# Allegro board gps_interface_boardv45ph.brd (continued)
## Nets (continued)
N635295: D8.1(K) R37.1
N637994: D15.2 Q12.2(S)
N638034: D15.1(CATHODE) R80.1
N638123: Q12.1 U15.4
N638285: R78.2 R79.1 U15.3
N638693: D14.2 Q11.2(S)
N638733: D14.1(K) R74.1
N665913: C123.2 R254.1
N716600: U107.2(VT) U107.3
N717829: C2748.1 U107.10
N717833: C2747.1 U107.9
N727253: C2749.1 C2750.1 L22.1 QZ1.1 QZ1.6(VDD)
N755053: Y1.3
N755062: Y1.2
N755111: U48.8
N755152: U48.9(XB)
N755804: Y1.6
N755834: Y1.5
N755912: L19.1 Y1.1(VDD)
N804236: U100.B1
N804492: U100.A2
N808323: C2670.1 C2680.1 C2690.1 U101.1 U101.2(SNS) U101.19 U101.20
N808573: R2661.1 U101.5
N808577: R2662.1 U101.6
N808581: R2663.1 U101.7
N808585: R2664.1 U101.9
N808589: R2665.1 U101.10
N808593: R2666.1 U101.11
N811210: C2711.2 U6.11
N812156: R2669.1 U7.2(SNS)

Pads without a net: J8 C8 C19 C22 C23 D29 D30 D31 D33 D35 G28 G33 G34 H1 H2; QZ1 2; U2 4 5 8; U3 4 5 8; U6 27 28 29; U7 5 6 7 9 10 11 12; U8 9; U9 12; U10 2 9; U11 12; U12 12; U13 9; U15 5; U17 6 9; U22 13 16; U26 13 16; U30 13 16; U34 13 16; U38 13 16; U42 13 16; U47 6; U48 5 7 10 20 21 53 54 55 56; U49 7; U52 4 5 8 9 19; U53 13 14 17 18; U101 12; U102 2 3 7

## Via types
v1: diameter 0.914, hole 0.406, TOP to BOTTOM, 1298 vias

## Routing (per net, layer and track width the routed paths; a pad name or vN(x,y) marks a point on that pad's centre or on a via; arc(x,y) is an arc through that point)
12V_FANS: length 29.8
  TOP w0.508: J28.2 14.68,18.44 17.07,16.05 F2.2
  BOTTOM w0.635: C3712.1 5.89,127.23 J27.2 ; C3713.1 4.24,18.44 J28.2
  vias: v1(6.45,42.44)
GND_POWER: length 605.1
  TOP w0.165: R26.1 v1(112.01,72.16) ; U100.F2 v1(-9.92,24.85) ; U100.E4 v1(-6.28,26.12) ; v1(111,72.19) R25.1 ; U100.F1 v1(-11.19,24.85) ; U100.G2 v1(-9.92,23.58) ; U6.19 12.88,48.15 12.88,48.16 ; 10.21,42.65 10.38,42.82 U6.3 ; U100.C1 v1(-11.19,29.76) ; C2740.1 v1(142.49,87.55) ; U100.E5 v1(-5.01,26.12) ; U104.13 137.29,70.06 v1(137.54,70.31) 136.79,71.06 U104.11 ; U6.17 13.88,48.09 13.87,48.11 ; U6.10 13.88,43.01 13.89,43 ; v1(10.09,46.23) 10.38,46.52 U6.24 ; C2726.1 C2722.1 C2731.2 C2727.2 ; U100.E2 v1(-9.92,26.12) ; U100.E3 v1(-7.55,26.12) ; U100.C2 v1(-9.92,29.76) ; C2746.2 v1(135.13,87.55) ; U107.6 135.73,91.77 v1(135.48,91.52) 135.73,91.27 U107.7 ; R18.2 v1(12.87,127.6) ; U100.H2 v1(-9.92,22.31) ; U100.H1 v1(-11.19,22.31) ; 12.62,42.62 12.38,42.86 U6.7 ; U100.D4 v1(-6.28,28.49) ; C2739.1 v1(142.49,95.45) ; 13.39,43.03 13.38,43.03 U6.9 ; C2734.2 v1(139.65,75.2) ; U100.D3 v1(-7.55,28.49) ; 13.39,48.11 13.38,48.11 U6.18 ; C2743.2 v1(140.97,95.45) ; U11.8 44.22,87.17 ; U7.8 12.83,72.24 ; C2741.1 v1(133.63,95.45) ; R2686.1 v1(133.73,74.02) ; U9.18 44.25,67.56 ; U107.15 140.36,91.77 v1(140.61,91.52) 140.36,91.27 U107.14 ; C2744.2 v1(140.97,87.55) ; R17.2 v1(20.67,127.8) ; U100.D2 v1(-9.92,28.49) ; U12.8 44.27,54.31 ; 122.18,83.64 122.15,83.67 ; C2742.1 v1(133.63,87.53) ; 12.57,48.13 12.38,47.94 U6.20 ; U100.D5 v1(-5.01,28.49) ; U100.D1 v1(-11.19,28.49) ; U6.8 12.88,42.63 12.88,42.62 ; U100.E1 v1(-11.19,26.12) ; C2733.1 v1(132.77,74.32) ; U100.G1 v1(-11.19,23.58) ; U7.18 12.83,67.49 ; U9.8 44.25,72.31 ; C2745.2 v1(135.13,95.45) ; U12.18 44.27,49.56
  TOP w0.17: v1(284.25,83.03) 284.01,83.27 U22.9 ; U42.9 166,83.37 v1(166.24,83.13) ; U34.9 210.43,83.37 v1(210.67,83.13) ; R233.1 165.62,87.92 v1(166.52,88.82) ; R123.2 v1(287.63,87.17) ; U38.9 188.13,83.37 v1(188.37,83.13) ; v1(262.18,83.13) 261.94,83.37 U26.9 ; R147.2 v1(265.56,80.14) ; v1(284.53,88.72) 283.63,87.82 R128.1 ; R212.1 187.74,87.92 v1(188.65,88.82) ; R191.1 210.05,87.92 v1(210.95,88.82) ; R228.2 v1(169.62,87.27) ; R170.1 239.26,87.92 v1(240.16,88.82) ; R210.2 v1(191.74,80.14) ; 94.46,95.96 v1(96.32,95.96) ; R231.2 v1(169.62,80.14) ; v1(239.88,83.13) 239.64,83.37 U30.9 ; R168.2 v1(243.26,80.14) ; v1(262.46,88.82) 261.56,87.92 R149.1 ; R126.2 v1(287.63,80.04) ; R189.2 v1(214.05,80.14) ; R207.2 v1(191.74,87.27) ; R165.2 v1(243.26,87.27) ; 265.56,86.45 v1(265.56,87.27) ; R186.2 v1(214.05,87.27)
  TOP w0.203: R104.2 v1(285.38,15.91) ; v1(168.71,114) 168.05,113.34 J21.17 ; U53.12 v1(221.82,19.89) ; R253.2 v1(24.88,88.1) ; v1(260.85,114) 260.88,114 261.61,113.27 J14.14 ; J18.14 239.31,113.27 238.58,114 v1(238.54,114) ; v1(264.67,114) 264.01,113.34 J14.17 ; v1(259.21,118.54) 259.61,118.95 J14.9 ; J19.11 v1(206.88,112.08) ; v1(134.01,118.54) 134.41,118.95 J30.9 ; v1(236.91,118.54) 237.31,118.95 J18.9 ; J21.1 v1(170.81,120.28) ; J20.20 v1(193.32,112.08) ; U3.2 17.17,134.49 v1(17.48,134.8) ; v1(187.01,114) 187.05,114 187.77,113.27 J20.14 ; J19.10 v1(206.53,120.28) ; R1.2 v1(83.85,129.72) ; v1(135.65,114) 135.69,114 136.41,113.27 J30.14 ; R79.2 v1(68.68,-18.87) ; v1(106.5,76.45) 106.68,76.63 107.68,76.63 ; R73.1 v1(77.34,-12.73) ; U8.5 25.53,59.84 v1(25.9,59.47) ; R71.1 v1(77.47,-19.66) ; 8.05,45.62 8.35,45.32 U6.30 ; J30.11 v1(133.22,112.08) ; v1(108.18,36.17) 107.74,35.73 U18.9 ; v1(122.66,83.64) 122.18,83.64 ; J20.10 v1(184.23,120.28) ; v1(66.67,68.35) U10.5 U10.4 66.34,67.85 v1(66.7,67.49) ; v1(281.28,118.59) 281.68,119 J13.9 ; U49.4 v1(83.91,-19.35) ; U2.2 42.55,134.41 v1(42.91,134.77) ; J21.11 v1(162.46,112.08) ; v1(110.72,36.55) 111.33,35.94 U17.7 ; J30.10 v1(132.87,120.28) ; J20.11 v1(184.58,112.08) ; v1(286.74,114.05) 286.08,113.39 J13.17 ; R249.2 v1(225.35,10.62) ; J18.20 v1(244.86,112.08) ; v1(24.66,59.49) 25.03,59.85 U8.4 ; v1(78.59,135.33) 79.34,134.58 U1.5 ; R9.2 v1(75.18,132.6) ; J19.20 v1(215.62,112.08) ; J13.20 v1(289.23,112.13) ; J19.9 208.07,118.95 v1(207.67,118.54) ; J14.20 v1(267.16,112.08) ; R13.2 v1(46.05,127.52) ; v1(57.51,41.38) 56.97,41.91 U13.5 ; v1(185.37,118.54) 185.77,118.95 J20.9 ; J21.9 163.65,118.95 v1(163.25,118.54) ; U47.3 62.63,136.52 v1(62.12,137.03) ; R72.1 77.91,-16.05 77.69,-15.82 v1(77.19,-15.82) ; J18.10 v1(235.76,120.28) ; J18.17 241.71,113.34 v1(242.37,114) ; R267.2 v1(40.09,136.02) ; R108.2 v1(292.37,15.86) ; v1(211.96,12.5) 212.4,12.94 R248.2 ; J14.1 v1(266.78,120.28) ; J13.11 v1(280.49,112.13) ; U15.2 v1(72.34,-20.4) ; J19.14 210.07,113.27 209.35,114 v1(209.31,114) ; v1(291.45,106.26) 290.19,106.26 289.48,106.26 ; J18.1 v1(244.47,120.28) ; v1(213.13,114) 212.47,113.34 J19.17 ; J20.17 190.17,113.34 v1(190.83,114) ; v1(282.92,114.05) 282.96,114.05 283.68,113.32 J13.14 ; R14.2 v1(38.2,127.55) ; U52.12 v1(205.59,19.79) ; J30.17 138.81,113.34 v1(139.47,114) ; R49.1 v1(22.61,59.26) ; J13.1 v1(288.85,120.33) ; J30.20 v1(141.96,112.08) ; J14.11 v1(258.42,112.08) ; J20.1 v1(192.94,120.28) ; v1(13.64,86.61) U46.4 v1(15.46,85.04) ; R268.2 v1(15.61,137.08) ; J13.10 v1(280.14,120.33) ; J18.11 v1(236.12,112.08) ; R109.2 v1(287.82,15.86) ; v1(164.88,114) 164.92,114 165.65,113.27 J21.14 ; R250.2 v1(208.69,10.69) ; J21.20 v1(171.2,112.08) ; J30.1 v1(141.58,120.28) ; 122.15,83.67 121.58,83.67 ; J19.1 v1(215.24,120.28) ; J14.10 v1(258.06,120.28) ; J21.10 v1(162.1,120.28) ; R264.2 v1(68.21,137.92) ; U13.4 v1(56.47,41.35) ; R23.1 v1(106.63,75.59) ; v1(106.43,77.72) 107.71,77.72 ; U19.12 v1(90.42,106.74) ; R105.2 v1(280.78,15.86)
  TOP w0.254: U104.30 141.06,71.06 v1(141.38,71.37) ; U104.23 v1(138.79,66.68)
  TOP w0.305: C105.2 125.6,19.35 v1(125.22,18.97) ; 283.83,22.76 v1(285.34,22.76) ; 290.84,22.73 291.33,22.73 291.35,22.71 v1(291.85,22.71) ; R39.1 v1(266.57,17.14) ; R43.1 v1(233.04,9.86) ; C106.2 v1(126.06,27.71) ; v1(123.65,21.64) 124.33,22.33 C107.2 ; U47.4 61.44,134.37 v1(60.7,133.63)
  TOP w0.33: C109.1 v1(116.99,36.42) ; C110.1 v1(102.06,27.08) ; C2749.2 v1(182.55,23.88) ; C2750.2 v1(182.55,25.53) ; QZ1.3 v1(180.37,23.09) ; C111.2 v1(116.92,27.43)
  BOTTOM w0.165: C25.1 v1(117.02,71.93) ; R65.2 v1(38.66,70.87) ; R114.2 49.53,85.72 v1(49.63,85.62) ; C20.1 113,87.49 113.49,87.98 113.51,87.98 v1(113.85,88.31) ; v1(3.47,48.32) 4.42,48.32 4.47,48.38 R36.2 ; C128.2 v1(239.67,17.02) ; C26.1 122.72,79.65 v1(122.82,79.75) ; R259.2 v1(45.8,57.81) ; R115.2 v1(45.75,90.98) ; R112.2 v1(44.75,75.41) ; C127.2 v1(238.1,17.02) ; v1(119.74,87.55) 119.14,86.96 C23.1 ; R118.2 v1(44.73,90.96) ; R255.2 v1(43.71,90.98) ; C15.1 107,77.62 106.9,77.72 v1(106.43,77.72) ; C22.2 v1(126.47,79.48) ; R263.2 v1(38.2,52.88) ; v1(122.89,82.63) C18.1 ; R258.2 v1(49.94,52.83) ; C27.1 v1(113.51,71.93) ; R257.2 v1(38.61,85.7) ; C129.2 v1(236.45,17.02) ; R261.2 v1(43.76,57.78) ; C14.1 v1(106.5,76.45) ; C24.1 v1(122.99,76.15) ; R70.2 v1(49.76,70.84) ; C28.1 v1(114.53,88.06) ; R63.2 v1(45.75,75.41) ; R256.2 v1(42.7,90.98) ; C29.2 129.09,74.07 129.11,74.09 v1(129.59,74.09) ; R260.2 v1(44.78,57.81) ; R113.2 v1(43.76,75.39) ; R117.2 v1(241.07,20.55) ; R262.2 v1(42.75,57.81) ; R64.2 v1(42.75,75.39) ; C19.1 v1(118.52,71.93)
  BOTTOM w0.203: C224.2 v1(182.86,99.19) ; C74.2 v1(66.29,64.92) ; C17.2 v1(10.03,37.31) ; v1(173.61,99.31) 173.3,99.62 C248.2 ; C2712.2 v1(131.5,99.19) ; C137.1 293.05,104.64 v1(292.56,105.13) ; 186.08,116.94 v1(186.08,115.82) ; v1(21.06,59.31) 21.06,59.92 21.84,60.7 C59.2 ; R94.2 v1(86.56,114.38) ; C2719.1 v1(145.81,105.28) ; R93.2 v1(86.56,115.75) ; 281.99,116.99 v1(281.99,115.87) ; v1(159.72,104.88) 158.92,104.08 C249.1 ; C119.2 v1(285.52,27.28) ; R110.2 v1(301.42,17.55) ; C3.2 v1(78.85,138.51) ; R195.2 v1(202.81,106.77) ; U5.2 246.66,27.66 247,27.32 247,26.66 v1(247.75,25.91) ; 270.88,107.9 v1(270.88,106.74) ; C123.1 v1(262.83,20.08) ; C157.1 v1(254.85,104.95) ; 174.89,107.9 v1(174.89,106.77) ; C251.1 v1(169.44,115.82) ; C270.1 v1(218.14,15.37) ; C202.2 v1(205.16,99.19) ; 277.85,80.19 277.85,80.7 277.86,80.71 U24.3 ; C271.1 v1(201.88,15.62) ; C113.2 v1(99.91,117.01) ; R47.2 v1(13.41,75.16) ; U44.3 159.85,80.81 159.84,80.8 159.84,80.29 ; C203.1 v1(203.34,104.93) ; C2718.1 v1(140.21,115.82) ; R154.2 v1(258.34,76.33) ; v1(195.78,99.34) 195.43,99.7 C225.2 ; 259.92,116.94 v1(259.92,115.82) ; R216.2 v1(180.5,106.69) ; v1(218.59,98.86) 218.23,99.22 218.23,99.49 217.73,99.99 C201.2 ; 265.41,116.97 v1(265.41,115.82) ; C250.1 v1(163.96,115.82) ; v1(181.58,105.05) 181.04,104.51 C226.1 ; R174.2 v1(232.04,106.79) ; C247.2 v1(160.73,99.19) ; C180.1 v1(232.55,104.98) ; 237.62,116.94 v1(237.62,115.82) ; v1(130.48,104.88) 129.68,104.08 C2717.1 ; C178.2 v1(234.37,99.19) ; v1(54.79,41.07) 54.05,41.81 C86.2 ; C252.1 v1(175.04,105.28) ; 204.27,80.29 204.27,80.8 204.28,80.81 U36.3 ; R132.2 v1(276.41,106.64) ; R196.2 v1(206.83,76.33) ; C229.1 v1(197.16,105.23) ; 208.38,116.94 v1(208.38,115.82) ; 291.45,107.9 v1(291.45,106.26) ; C155.2 v1(256.67,99.19) ; U28.3 255.79,80.81 255.78,80.8 255.78,80.29 ; R2690.2 v1(129.15,106.74) ; C160.1 v1(270.98,105.23) ; v1(276.93,105.01) C134.1 ; U40.3 181.98,80.81 181.97,80.8 181.97,80.29 ; R74.2 v1(71.27,-8.03) ; C2713.2 144.07,99.62 v1(144.37,99.31) ; 243.1,116.97 v1(243.1,115.82) ; R62.2 v1(56.88,61.76) ; 233.48,80.29 233.48,80.8 233.49,80.81 U32.3 ; C206.1 v1(219.47,105.21) ; C183.1 248.68,104.54 v1(248.11,105.11) ; v1(247.29,99.26) 246.94,99.62 C179.2 ; R33.2 v1(99.39,67.06) ; R238.2 v1(162.41,76.33) ; C132.2 291.31,100.08 v1(292.02,99.36) ; C84.1 v1(59.69,45.9) ; R4.2 v1(83.87,137.59) ; R95.2 v1(103.56,111.91) ; R133.2 v1(280.42,76.23) ; R153.2 v1(254.34,106.74) ; C58.1 v1(28.04,64.85) ; R217.2 v1(184.53,76.33) ; C69.1 57.05,64.9 v1(56.54,64.39) ; C133.2 v1(278.74,99.29) ; C2714.1 v1(134.72,115.82) ; R175.2 v1(236.04,76.33) ; 191.57,116.97 v1(191.57,115.82) ; C115.2 v1(292.4,27.2) ; C272.1 v1(18.08,91.87) ; 292.95,107.9 292.95,107.17 v1(293.37,106.76) ; R34.2 v1(100.7,70.83) ; C156.2 v1(269.24,99.06) ; R237.2 v1(158.38,106.74) ; 213.87,116.97 v1(213.87,115.82) ; R80.2 v1(76.4,-8.1)
  BOTTOM w0.305: C116.2 v1(278.26,15.9) ; R44.2 v1(10.4,30.65) ; v1(85.62,-19.99) 86.23,-19.38 C103.2 ; R37.2 v1(101.31,100.48) ; C16.2 v1(93.22,65) ; R106.2 v1(271.17,17.45) ; C8.2 v1(84.81,132.15) ; C104.2 86.45,-15.95 v1(85.83,-16.57) ; v1(85.57,-11) 86.39,-11.81 C102.2 ; C117.2 279.95,14.12 279.43,14.65 v1(279.43,15.44) ; R57.2 v1(58.34,93.45) ; C98.2 116.51,17.37 v1(115.93,16.79) ; C5.2 v1(60.11,134.24) ; C7.2 v1(88.8,132.11) ; C10.1 v1(36.05,136.57) ; v1(115.62,21.62) 116.59,20.65 C99.2 ; v1(97.03,70.61) 96.57,70.16 C13.2 ; C108.2 v1(85.51,-12.38) ; C97.2 v1(128.4,20.65) ; R51.2 v1(26.95,78.51) ; C12.1 v1(35.06,133.71) ; C11.1 v1(20.43,137.13) ; v1(61.44,129.49) 62.09,130.15 C6.2 ; 289.25,21.34 v1(287.48,21.34) ; 283.95,21.39 v1(285.32,21.39) ; C9.2 v1(89.41,133.32)
  BOTTOM w0.33: 156.84,10.69 156.46,10.31 153.37,10.31 153.03,10.64 J8.G20 ; v1(166.52,88.82) 166.52,88.83 C254.2 C253.2 ; J8.G5 J8.G4 ; C161.2 C162.2 262.46,88.83 v1(262.46,88.82) ; v1(162.41,15.11) 162.41,14.12 J8.H12 ; J8.D3 J8.D2 ; C207.2 C208.2 210.95,88.83 v1(210.95,88.82) ; C184.2 C185.2 240.16,88.83 v1(240.16,88.82) ; C138.2 C139.2 284.53,88.72 v1(284.53,88.72) ; v1(188.65,88.82) 188.64,88.83 C231.2 C230.2 ; v1(166.22,15.11) 166.22,14.12 J8.H9
  BOTTOM w0.381: v1(177.16,5.22) 177.16,6.99 J8.D2 ; J8.G5 J8.H6 v1(170.81,15.1) ; v1(159.38,15.1) 159.38,13.34 J8.G14 v1(160.66,10.3) ; J8.G26 J8.H27 v1(144.15,15.1) ; J8.C12 v1(163.19,5.22) ; 156.84,10.69 J8.G17 J8.H18 v1(155.57,15.1) ; v1(158.12,10.02) J8.D16 J8.C16 v1(158.12,5.22) ; v1(128.91,15.1) J8.H39 J8.G38 v1(130.18,10.3) ; v1(167,5.22) J8.C9 J8.D10 ; J8.G23 J8.H24 v1(147.96,15.1) ; v1(130.18,5.85) J8.C38 J8.D37 ; J8.D13 J8.C13 v1(161.93,5.22) ; v1(140.34,15.1) J8.H30 142.21,11.46 142.21,10.68 v1(142.88,10.02) J8.D28 J8.C28 v1(142.88,5.22) ; v1(146.69,5.22) J8.C25 J8.D25 v1(146.69,10.02) ; J8.C36 v1(132.72,5.84) ; v1(137.79,10.3) J8.G32 J8.H33 v1(136.53,15.1) ; J8.C33 v1(136.53,5.22) ; v1(132.72,15.1) J8.H36 J8.G35 v1(133.99,10.3) ; 177.16,12.06 v1(177.16,10.69) ; J8.D19 J8.C20 v1(153.03,5.22) ; J8.H3 J8.G4 v1(173.35,10.3) ; J8.C32 v1(137.79,5.22) ; v1(135.25,5.22) J8.C34 J8.D34 ; J8.D39 J8.C40 v1(127.64,5.85) ; J8.G8 J8.H9 ; J8.C24 v1(147.96,5.22) ; 141.6,6.99 v1(141.6,5.22) ; v1(151.76,5.22) 151.76,6.99 J8.D22 v1(150.5,10.02) ; v1(172.09,5.22) J8.C5 J8.D6 169.54,8.26 ; J8.C17 v1(156.84,5.22) ; J8.G11 J8.H12 ; v1(151.76,15.1) 151.76,13.34 J8.G20 ; J8.D3 J8.C4 ; J8.G40 v1(126.71,12.06)
  BOTTOM w0.635: C3712.2 6,125.5 J27.3 ; C3713.2 4.44,15.9 J28.3
  vias: v1(3.32,36.09) v1(3.55,55.42) v1(3.71,52.91) v1(3.66,51.56) v1(3.66,50.19) v1(3.71,39.7) v1(3.71,38.33) v1(3.76,41.05) v1(4.24,36.09) v1(4.47,55.42) v1(4.8,52.91) v1(4.78,51.59) v1(4.8,50.19) v1(4.83,39.73) v1(4.85,41.05) v1(4.85,38.33) v1(5.18,36.07) v1(5.33,73.43) v1(5.41,55.4) v1(5.94,52.91) v1(5.99,51.64) v1(5.99,50.19) v1(5.99,41.05) v1(6.05,39.78) v1(6.05,38.33) v1(6.25,73.43) v1(6.78,60.52) v1(7.19,73.41) v1(7.69,60.53) v1(8.15,36.11) v1(8.38,55.44) v1(8.63,60.5) v1(9.07,36.12) v1(9.29,55.45) v1(10.01,36.1) v1(10.09,44.91) v1(10.23,55.42) v1(11.61,60.55) v1(11.63,46.23) v1(11.63,44.91) v1(12.22,70.43) v1(12.22,69.77) v1(12.22,69.14) v1(12.52,60.55) v1(13,36.11) v1(13.23,55.44) v1(13.18,46.23) v1(13.18,44.91) v1(13.41,70.46) v1(13.41,69.8) v1(13.39,69.14) v1(13.46,60.53) v1(13.92,36.12) v1(14.15,55.45) v1(14.86,36.1) v1(15.09,55.42) v1(16.46,60.55) v1(17.37,60.55) v1(18.06,73.43) v1(18.31,60.53) v1(18.31,56.11) v1(18.26,54.76) v1(18.26,53.39) v1(18.44,37.77) v1(18.39,36.42) v1(18.39,35.05) v1(18.97,73.43) v1(19.41,56.11) v1(19.38,54.79) v1(19.41,53.39) v1(19.53,37.77) v1(19.51,36.45) v1(19.53,35.05) v1(19.91,73.41) v1(20.55,56.11) v1(20.6,54.84) v1(20.6,53.39) v1(20.68,37.77) v1(20.73,36.5) v1(20.73,35.05) v1(20.73,31.45) v1(20.68,30.1) v1(20.68,28.73) v1(21.82,31.45) v1(21.79,30.12) v1(21.82,28.73) v1(22.96,31.45) v1(23.01,30.18) v1(23.01,28.73) v1(24.21,31.47) v1(24.16,30.12) v1(24.16,28.75) v1(25.1,62.51) v1(25.07,61.67) v1(25.3,31.47) v1(25.27,30.15) v1(25.3,28.75) v1(25.98,62.51) v1(25.96,61.67) v1(26.44,31.47) v1(26.49,30.2) v1(26.49,28.75) v1(28.47,62.23) v1(31.09,60.71) v1(36.75,88.36) v1(36.83,55.42) v1(37.67,88.37) v1(37.74,55.42) v1(38.15,60.6) v1(38.35,75.03) v1(38.61,88.34) v1(38.68,55.4) v1(39.06,60.6) v1(39.27,75.03) v1(40,60.58) v1(40.21,75.01) v1(42.97,60.62) v1(43.59,85.34) v1(43.59,84.07) v1(43.64,70.51) v1(43.64,69.85) v1(43.64,69.22) v1(43.66,52.5) v1(43.66,51.84) v1(43.66,51.21) v1(43.89,60.63) v1(44.22,84.71) v1(44.83,70.54) v1(44.83,69.88) v1(44.81,69.22) v1(44.83,60.61) v1(44.83,51.21) v1(44.86,85.34) v1(44.86,84.07) v1(44.86,52.53) v1(44.86,51.87) v1(47.83,60.62) v1(48.03,75.05) v1(48.74,60.63) v1(48.94,75.06) v1(49.48,88.36) v1(49.68,60.61) v1(49.71,55.49) v1(49.88,75.03) v1(50.39,88.37) v1(50.62,55.5) v1(51.33,88.34) v1(51.56,55.48) v1(56.54,44.58) v1(56.52,43.74) v1(57.28,84.63) v1(57.43,44.58) v1(57.4,43.74) v1(57.51,66.85) v1(58.42,84.63) v1(58.65,66.85) v1(59.61,84.63) v1(59.84,66.85) v1(63.58,68.78) v1(63.55,67.94) v1(64.44,67.94) v1(64.47,68.78) v1(78.94,132.99) v1(78.94,132.16) v1(80.11,132.99) v1(80.09,132.16) v1(81.23,132.16) v1(81.25,132.99) v1(97.43,89.81) v1(97.46,91.19) v1(97.46,90.53) v1(98.3,91.19) v1(98.27,90.5) v1(98.27,89.81) v1(99.8,42.98) v1(102.67,42.55) v1(104.98,42.01) v1(105.59,40.82) v1(107.98,73.33) v1(108.13,38.25) v1(108.92,96.04) v1(111.73,37.72) v1(112.85,81.58) v1(112.88,80.44) v1(112.85,79.3) v1(112.88,78.16) v1(114.1,81.61) v1(114.12,80.47) v1(114.1,79.32) v1(114.12,78.18) v1(114.33,39.5) v1(115.32,81.61) v1(115.34,80.47) v1(115.32,79.32) v1(115.34,78.18) v1(116.64,81.61) v1(116.64,79.32) v1(116.66,80.47) v1(116.66,78.18) v1(136.32,86.06) v1(138.05,91.52) v1(138.76,86.06) v1(163.86,84.12) v1(185.98,84.12) v1(200.81,21.56) v1(208.28,84.12) v1(219,17.17) v1(231.04,18.85) v1(233.78,20.83) v1(237.49,84.12) v1(259.79,84.12) v1(281.86,84.02) v1(287.3,35.18) v1(292.91,35.23)
VCC2V5: length 73.7
  TOP w0.17: R182.1 v1(211.96,87.07) ; R235.1 v1(161.07,88.52) ; R214.1 v1(183.2,88.52) ; R140.1 v1(263.47,87.07) ; R162.1 v1(241.17,80.7) ; R172.1 v1(234.71,88.52) ; R161.1 v1(241.17,87.07) ; R120.1 v1(285.55,80.59) ; R204.1 v1(189.66,80.7) ; R151.1 v1(257.01,88.52) ; R119.1 v1(285.55,86.97) ; R224.1 v1(167.54,87.07) ; R130.1 v1(279.08,88.42) ; R203.1 v1(189.66,87.07) ; R193.1 v1(205.5,88.52) ; R141.1 v1(263.47,80.7) ; R225.1 v1(167.54,80.7) ; R183.1 v1(211.96,80.7)
  TOP w0.203: 57.48,47.62 57.47,47.62 U13.10 ; v1(239.95,85.88) 239.95,85.32 239.52,84.89 239.31,84.89 239.3,84.87 U30.12 ; U34.12 210.09,84.87 210.1,84.89 210.31,84.89 210.74,85.32 v1(210.74,85.88) ; 282.33,25.86 281.41,25.86 280.91,26.36 v1(280.91,26.84) ; U42.12 165.67,84.87 165.68,84.89 165.89,84.89 166.32,85.32 v1(166.32,85.88) ; v1(284.33,85.78) 284.33,85.22 283.9,84.79 283.69,84.79 283.68,84.77 U22.12 ; v1(188.44,85.88) 188.44,85.32 188.01,84.89 187.8,84.89 187.79,84.87 U38.12 ; v1(262.25,85.88) 262.25,85.32 261.82,84.89 261.62,84.89 261.6,84.87 U26.12 ; 289.34,25.83 288.87,25.83 v1(287.83,26.87)
  TOP w0.305: v1(64.38,128.37) 63.63,129.11 U47.8
  TOP w0.33: v1(115.22,26.64) C111.1 115.23,27.44 U17.14 ; v1(103.56,26.09) 103.83,26.36 C110.2 103.84,27.09 U18.2
  BOTTOM w0.17: v1(233.48,19.81) 234.23,19.81 R116.2
  BOTTOM w0.203: v1(262.25,85.88) 262.25,86.27 261.43,87.1 C162.1 C161.1 ; v1(188.44,85.88) 188.44,86.27 187.62,87.1 C231.1 C230.1 ; v1(287.83,26.87) 288.16,27.2 C115.1 ; v1(166.32,85.88) 166.32,86.27 165.5,87.1 C254.1 C253.1 ; C119.1 281.36,27.28 v1(280.91,26.84) ; R82.2 v1(106.84,31.07) ; v1(247.09,29.29) 247.09,27.94 247.37,27.66 U5.5 ; v1(239.95,85.88) 239.95,86.27 239.13,87.1 C185.1 C184.1 ; C138.1 C139.1 283.5,86.99 284.33,86.17 v1(284.33,85.78) ; C207.1 C208.1 209.92,87.1 210.74,86.27 v1(210.74,85.88)
  BOTTOM w0.305: C6.1 63.82,128.92 v1(64.38,128.37)
  vias: v1(53.9,50.14) v1(53.9,48.74) v1(54.99,50.11) v1(54.99,48.74) v1(56.11,50.14) v1(56.13,48.74) v1(57.33,50.14) v1(57.33,48.74) v1(60.76,50.14) v1(60.76,48.74) v1(61.8,48.74) v1(61.93,50.14) v1(62.94,48.74) v1(63.07,50.14) v1(64.11,48.72) v1(64.24,50.14) v1(158.24,92.58) v1(158.24,91.49) v1(199.87,67.28)
VCC3V3: length 431.7
  TOP w0.165: R163.1 v1(245.52,86.45) ; 133.96,71.05 C2730.1 C2725.2 ; 133.96,71.05 134.47,71.56 U104.10 ; 133.96,71.05 133.98,71.05 134.47,70.56 U104.12 ; U107.8 136.03,90.77 135.54,90.27 C2746.1 135.1,90.25 C2742.2 v1(132.59,90.25) ; R205.1 v1(194.01,86.45) ; R164.1 v1(245.52,81.16) ; C2724.2 C2729.1 136.29,66.97 U104.18 ; U107.16 139.99,92.27 140.46,92.73 C2743.1 C2739.2 v1(143.54,92.73) ; C2723.2 C2728.1 139.29,67.46 U104.24 ; v1(143.54,90.27) C2740.2 C2744.1 140.64,90.27 140.15,90.77 U107.13 ; 140.46,72.76 141.08,72.76 ; 140.46,72.76 139.66,73.56 139.17,73.56 138.79,73.18 U104.2 ; 140.46,72.76 U104.1 ; 141.08,72.76 C2727.1 C2731.1 C2722.2 C2726.2 ; 141.08,72.76 140.74,72.41 ; 140.74,72.41 140.38,72.06 U104.32 ; 140.74,72.41 140.74,71.78 140.52,71.56 U104.31 ; R24.1 122.38,79.15 122.51,79.02 v1(123.11,79.02) ; R185.1 v1(216.31,81.16) ; R184.1 v1(216.31,86.45) ; v1(132.59,92.73) C2741.2 C2745.1 135.61,92.73 136.08,92.27 U107.5 ; R143.1 v1(267.82,81.16) ; R226.1 v1(171.89,86.45) ; R206.1 v1(194.01,81.16) ; R121.1 v1(289.9,86.35) ; R227.1 v1(171.89,81.16) ; R142.1 v1(267.77,86.43) ; R122.1 v1(289.9,81.06)
  TOP w0.203: D36.2 v1(165.18,78.79) ; D32.2 v1(187.3,78.79) ; R247.2 v1(195.12,12.94) ; D16.2 v1(283.18,78.69) ; Q11.3 v1(66.83,-16.24) ; U18.15 103.84,35.43 103.84,36.3 v1(103.71,36.42) ; D24.2 v1(238.81,78.79) ; D28.2 v1(209.6,78.79) ; U19.24 100.35,113.89 v1(100.94,114.48) ; v1(77.47,-20.6) 77.93,-21.06 R75.2 ; R77.2 78.12,-14.15 77.74,-14.53 v1(77.24,-14.53) ; v1(61.26,74.37) 62.61,73.03 U10.10 ; D20.2 v1(261.11,78.79) ; R76.2 v1(77.44,-17.48) ; Q12.3 v1(71.86,-16.21) ; v1(22.45,91.03) 21.84,90.42 U46.8
  TOP w0.305: v1(146.91,105.16) 146.28,104.52 L21.1 146.28,100.05 v1(146.84,99.49) ; v1(276.33,105.51) 276.33,104.68 276.43,104.58 L7.1 276.43,100.06 276.25,99.89 v1(276.25,99.34) ; v1(201.6,101.93) L13.1 v1(202.84,98.78) ; v1(266.9,13.18) 266.52,13.56 Q14.3 ; v1(292.56,21.36) 292.56,22.99 291.97,23.57 289.6,23.57 289.34,23.32 289.34,22.73 ; U52.24 198.63,11.82 v1(198.17,11.35) ; v1(3.61,34.21) 47.41,34.21 47.42,34.2 v1(47.97,34.2) ; v1(249.73,99.44) 249.15,100.03 L12.1 249.15,104.5 v1(249.73,105.08) ; v1(231.97,105.41) 231.97,104.74 232.05,104.66 L11.1 v1(232.05,98.7) ; v1(87.76,-13.87) 87.91,-14.02 U49.8 ; v1(179.17,101.93) L15.1 180.54,99.36 v1(181,98.91) ; v1(158.42,98.91) L17.1 v1(157.02,101.93) ; v1(198.4,105.18) 197.64,104.42 L16.1 197.64,100.08 v1(198.25,99.47) ; v1(176.07,99.49) 175.51,100.05 L18.1 v1(176.71,102.08) ; D1.2 v1(105.47,69.67) ; v1(272.14,99.54) 271.45,100.23 L10.1 271.45,104.19 v1(272.21,104.95) ; v1(221.39,102.08) L14.1 219.94,99.95 v1(220.42,99.47) ; v1(218.14,10.21) 216.61,10.21 215.92,10.9 U53.24 ; 282.33,22.76 281.13,22.76 280.67,22.3 v1(280.67,21.49) ; Q10.3 v1(232.05,5.51) ; R266.2 v1(69.28,133.43) ; v1(127.71,101.93) L20.1 v1(129.18,98.91) ; v1(293.83,105.26) 293.83,104.67 293.52,104.37 L8.1 293.52,99.92 v1(293.95,99.49) ; v1(254.08,99.42) 254.36,99.69 L9.1 254.36,104.63 254.15,104.84 v1(254.15,105.49)
  TOP w0.33: U17.1 115.22,34.71 C109.2 v1(115.22,37.24) ; L22.2 v1(185.42,30.51)
  BOTTOM w0.203: v1(241.84,123.92) R166.1 ; C179.1 248.67,99.65 v1(248.36,99.34) ; C113.1 100.91,115.01 100.94,114.97 v1(100.94,114.48) ; R187.1 v1(212.61,123.92) ; 282.35,123.92 R125.1 ; 282.35,123.92 283.29,123.92 ; 282.35,123.92 v1(281.29,123.92) ; v1(254.51,77.42) 253.89,78.04 U28.5 ; U36.5 202.37,78.04 v1(203,77.42) ; C272.2 21.62,91.87 v1(22.45,91.03) ; R98.2 v1(107.24,104.32) ; v1(134.02,123.92) R2677.1 R2681.1 R2679.1 v1(137.88,123.92) ; v1(206.4,5.54) 205.82,6.12 R252.2 ; C133.1 277.01,99.67 v1(277.42,99.26) ; v1(163.25,123.92) R230.1 R234.1 R232.1 v1(167.11,123.92) ; C178.1 v1(232.64,99.29) ; v1(185.38,123.92) R209.1 R213.1 R211.1 v1(189.24,123.92) ; R246.2 v1(207.47,5.69) ; U44.5 157.95,78.04 v1(158.57,77.42) ; U32.5 231.58,78.04 v1(232.21,77.42) ; R100.2 v1(105.49,104.32) ; C225.1 v1(197.16,99.11) ; R2676.1 v1(138.95,123.92) ; C201.1 v1(219.46,99.11) ; v1(130.1,76.12) L5.1 128.43,77.19 128.2,77.42 C22.1 v1(128.2,79.45) ; R229.1 v1(168.18,123.92) ; C155.1 v1(254.94,99.29) ; v1(264.14,123.92) R145.1 ; R102.2 107.07,113.23 107.09,113.24 v1(107.09,113.87) ; R38.2 v1(95.72,102.11) ; C2713.1 v1(145.8,99.11) ; R96.2 v1(108.99,104.27) ; 284.2,123.92 v1(285.15,123.92) ; 284.2,123.92 283.29,123.92 ; 284.2,123.92 R127.1 ; U24.5 275.96,77.94 v1(276.58,77.32) ; R87.1 v1(85.8,123.24) ; v1(180.7,77.42) 180.07,78.04 U40.5 ; C248.1 v1(175.03,99.11) ; R103.2 v1(108.38,110.64) ; v1(207.68,123.92) R188.1 R192.1 R190.1 v1(211.54,123.92) ; C224.1 181.13,99.85 v1(181.76,99.21) ; R208.1 v1(190.3,123.92) ; 283.29,123.92 R129.1 ; R88.1 v1(76.53,122.91) ; R90.1 v1(78.08,122.91) ; C132.1 v1(293.04,99.37) ; R86.1 v1(75.03,122.91) ; v1(259.21,123.92) R146.1 R150.1 R148.1 v1(263.07,123.92) ; C2712.1 v1(129.77,99.29) ; C247.1 v1(159,99.29) ; R251.2 v1(221.16,5.51) ; v1(236.91,123.92) R167.1 R171.1 R169.1 v1(240.77,123.92) ; Q7.3 v1(94.91,97.71) ; R81.2 v1(112.24,31.48) ; R89.1 v1(84.33,123.24) ; C156.1 v1(270.97,99.11) ; R84.1 v1(73.51,122.91) ; C202.1 v1(203.43,99.29) ; v1(286.21,123.92) R124.1 ; R85.1 v1(87.25,123.24) ; R245.2 v1(219.38,5.49) ; R83.1 v1(88.72,123.24) ; v1(103.71,36.42) 103.84,36.3 103.84,33.46 104.07,33.22
  BOTTOM w0.305: L1.1 v1(86.21,127.1) ; R56.2 v1(58.17,86.82) ; 27.74,75.18 27.74,72.72 26.95,71.93 R50.2 ; 27.74,75.18 Q4.3 ; 27.74,75.18 v1(27.74,89.81) ; Q5.3 v1(59.56,90.02) ; C270.2 v1(218.14,10.21) ; 3.61,33.15 3.61,30.2 4.12,29.69 Q3.3 ; 3.61,33.15 R40.2 ; 3.61,33.15 v1(3.61,34.21) ; v1(87.76,-13.87) C108.1 ; R107.2 270.59,25.27 269.93,24.6 269.93,22.78 271.22,21.49 v1(280.67,21.49) 281.15,21.49 281.25,21.39 282.22,21.39 ; C271.2 198.8,11.99 v1(198.17,11.35) ; R111.2 301.4,26.54 300.13,27.81 293.5,27.81 293.5,22.3 v1(292.56,21.36) 291.01,21.36 290.98,21.34 ; Q6.3 v1(59.36,56.52) ; v1(58.88,53.77) 58.24,53.77 57.84,53.37 R61.2 ; C7.1 v1(88.8,127.61) ; C117.1 P1.9 ; v1(92.81,67.11) L3.1 94.55,68.14 94.84,68.42 C13.1 v1(93.17,69.27) ; Q1.3 v1(99.59,63.12)
  vias: v1(57.84,74.37) v1(58.93,75.74) v1(58.93,74.37) v1(58.98,77.09) v1(60.05,75.77) v1(60.07,77.09) v1(60.07,74.37) v1(61.21,77.09) v1(61.26,75.82) v1(94.08,89.59) v1(95.17,89.56) v1(95.61,92.02) v1(95.58,91.29)
